# KiCad board usb_power_board.kicad_pcb (continued)
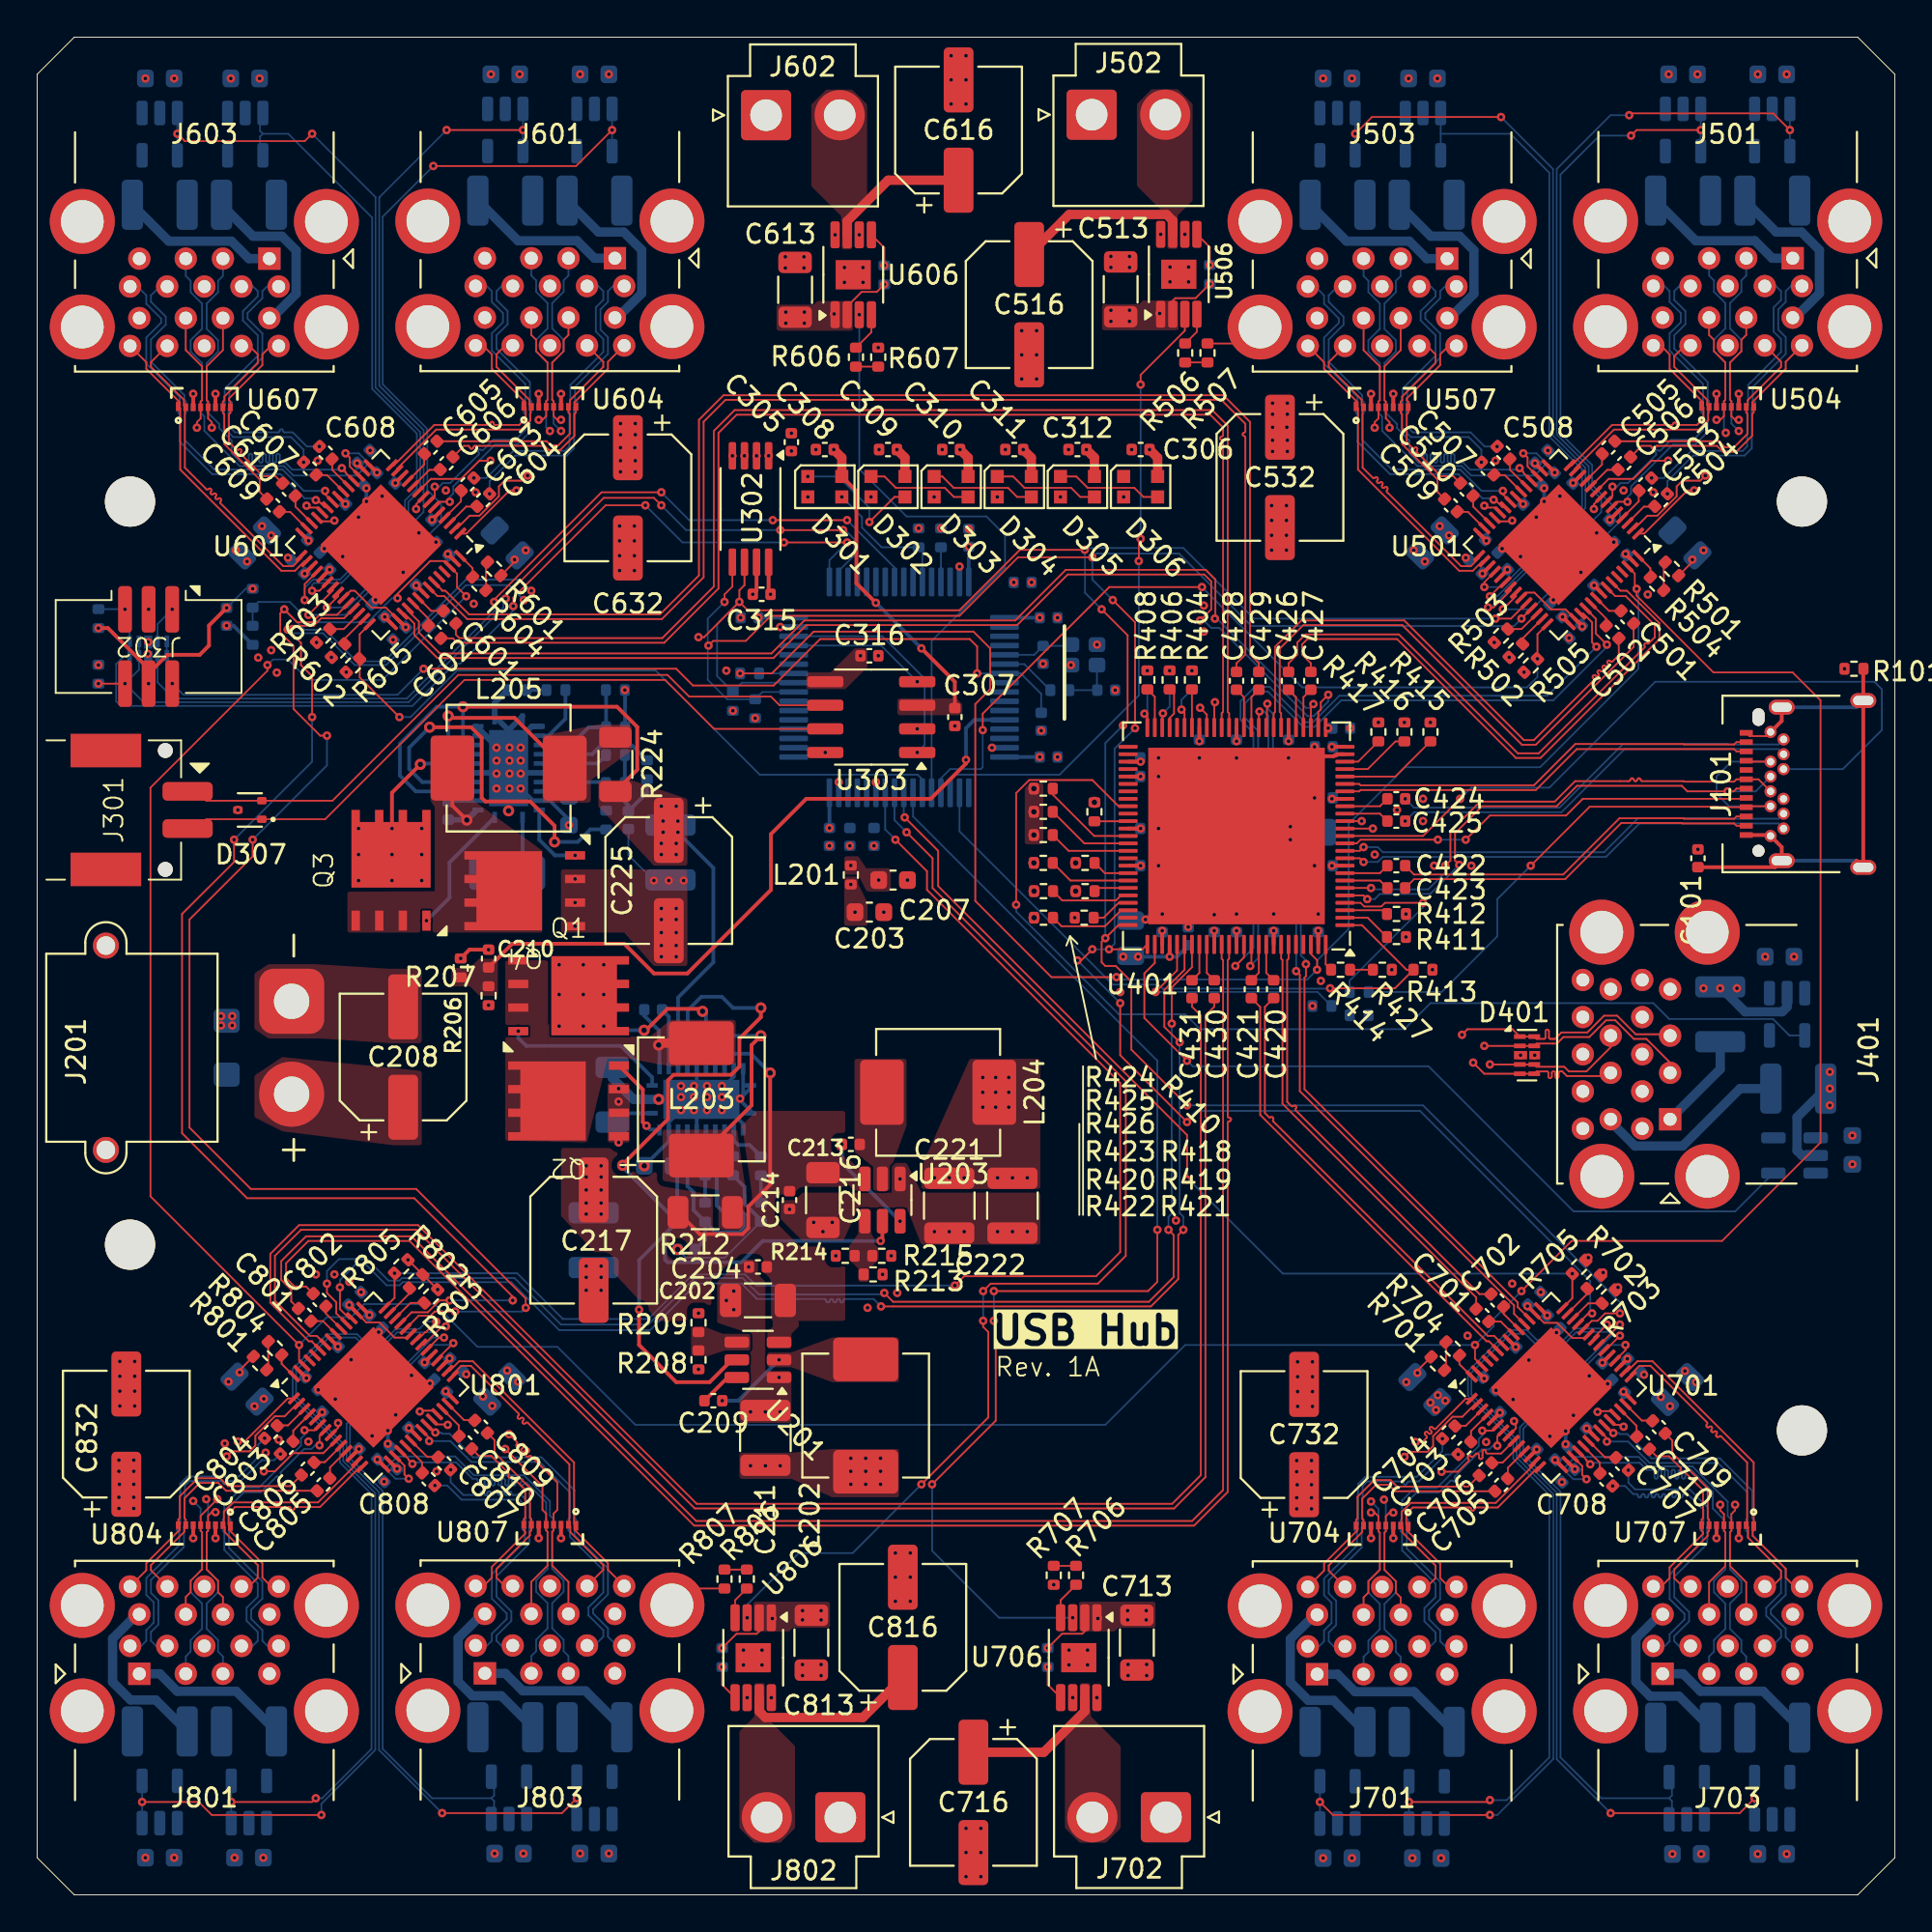
[diagram p0: board, top side]
## Placement (name value [footprint] x y rotation side) (continued)
R424  10K  [R_0402_1005Metric]  54.16 59.55 0 top
R425  10K  [R_0402_1005Metric]  54.16 58.3 0 top
R426  10K  [R_0402_1005Metric]  54.16 57.05 0 top
R427  2k2  [R_0402_1005Metric]  72.41 49.8 180 top
R501  2k2  [R_0402_1005Metric]  88 71.38 135 top
R502  10R  [R_0402_1005Metric]  79.6 66.98 45 top
R503  10R  [R_0402_1005Metric]  78.8 67.78 45 top
R504  10k  [R_0402_1005Metric]  87.2 70.58 135 top
R505  100k  [R_0402_1005Metric]  80.4 66.18 225 top
R506  1k  [R_0402_1005Metric]  61.8 83 270 top
R507  330  [R_0402_1005Metric]  63 83 90 top
R508  100k  [R_0402_1005Metric]  63.12 87.23 90 bottom
R601  2k2  [R_0402_1005Metric]  24.6 71.38 135 top
R602  10R  [R_0402_1005Metric]  16.2 66.98 45 top
R603  10R  [R_0402_1005Metric]  15.4 67.78 45 top
R604  10k  [R_0402_1005Metric]  23.8 70.58 135 top
R605  100k  [R_0402_1005Metric]  17 66.18 225 top
R606  1k  [R_0402_1005Metric]  44.07 82.77 270 top
R607  330  [R_0402_1005Metric]  45.28 82.77 90 top
R608  100k  [R_0402_1005Metric]  45.6 87.2 90 bottom
R701  2k2  [R_0402_1005Metric]  75.4 28.6 315 top
R702  10R  [R_0402_1005Metric]  83.8 33 225 top
R703  10R  [R_0402_1005Metric]  84.6 32.2 225 top
R704  10k  [R_0402_1005Metric]  76.2 29.4 315 top
R705  100k  [R_0402_1005Metric]  83 33.8 45 top
R706  1k  [R_0402_1005Metric]  55.93 17.2 90 top
R707  330  [R_0402_1005Metric]  54.72 17.2 270 top
R708  100k  [R_0402_1005Metric]  54.4 12.78 270 bottom
R801  2k2  [R_0402_1005Metric]  12 28.62 315 top
R802  10R  [R_0402_1005Metric]  20.4 33.02 225 top
R803  10R  [R_0402_1005Metric]  21.2 32.22 225 top
R804  10k  [R_0402_1005Metric]  12.8 29.42 315 top
R805  100k  [R_0402_1005Metric]  19.6 33.82 45 top
R806  1k  [R_0402_1005Metric]  38.2 17 90 top
R807  330  [R_0402_1005Metric]  37 17 270 top
R808  100k  [R_0402_1005Metric]  36.87 12.77 270 bottom
U201  TPS565201  [TSOT-23-6]  38.8 28.8 180 top
U202  LM5148  [RGY0024E-MFG]  35.75 42.82 90 bottom
U203  TPS565201  [TSOT-23-6]  45.5 37.4 270 top
U204  LM5148  [RGY0024E-MFG]  25.38 60.65 180 bottom
U301  STM32G474  [LQFP-64-0.5]  46.4 65 180 bottom
U302  ZD24C128A  [TSSOP-8_4.4x3mm_P0.65mm]  38.4 74.6 270 top
U303  TCAN1462V  [SOIC-8_3.9x4.9mm_P1.27mm]  44.9 63.4 180 top
U401  USB7216C  [VQFN-100-1EP_12x12mm_P0.4mm_EP8x8mm]  64.56 57 180 top
U402  RT9742GGJ5  [TSOT-23-5]  94.2 47.4 270 bottom
U403  RT9742GGJ5  [TSOT-23-5]  94.6 39.8 180 bottom
U501  USB5744  [QFN-56-1EP_7x7mm_P0.4mm_EP4x4mm]  81.9 72.68 225 top
U502  RT9742GGJ5  [TSOT-23-5]  88.6 95 270 bottom
U503  RT9742GGJ5  [TSOT-23-5]  93.4 95 270 bottom
U504  BDFN3310A056R  [UDFN8_3P3X1_517CB_ONS]  91 80.5 90 top
U505  BDFN3310A056R  [UDFN8_3P3X1_517CB_ONS]  91 80.5 90 bottom
U506  TPS1H200A  [HVSSOP-8-1EP_3x3mm_P0.65mm_EP1.57x1.89mm]  61.46 87.24 90 top
U507  BDFN3310A056R  [UDFN8_3P3X1_517CB_ONS]  72.4 80.48 90 top
U508  RT9742GGJ5  [TSOT-23-5]  70 94.78 270 bottom
U509  RT9742GGJ5  [TSOT-23-5]  74.6 94.78 270 bottom
U510  BDFN3310A056R  [UDFN8_3P3X1_517CB_ONS]  72.4 80.48 90 bottom
U601  USB5744  [QFN-56-1EP_7x7mm_P0.4mm_EP4x4mm]  18.5 72.68 225 top
U602  RT9742GGJ5  [TSOT-23-5]  25.2 95 270 bottom
U603  RT9742GGJ5  [TSOT-23-5]  30 95 270 bottom
U604  BDFN3310A056R  [UDFN8_3P3X1_517CB_ONS]  27.6 80.5 90 top
U605  BDFN3310A056R  [UDFN8_3P3X1_517CB_ONS]  27.6 80.5 90 bottom
U606  TPS1H200A  [HVSSOP-8-1EP_3x3mm_P0.65mm_EP1.57x1.89mm]  43.93 87.21 90 top
U607  BDFN3310A056R  [UDFN8_3P3X1_517CB_ONS]  9 80.48 90 top
U608  RT9742GGJ5  [TSOT-23-5]  6.6 94.78 270 bottom
U609  RT9742GGJ5  [TSOT-23-5]  11.2 94.78 270 bottom
U610  BDFN3310A056R  [UDFN8_3P3X1_517CB_ONS]  9 80.48 90 bottom
U701  USB5744  [QFN-56-1EP_7x7mm_P0.4mm_EP4x4mm]  81.5 27.3 45 top
U702  RT9742GGJ5  [TSOT-23-5]  74.8 4.98 90 bottom
U703  RT9742GGJ5  [TSOT-23-5]  70 4.98 90 bottom
U704  BDFN3310A056R  [UDFN8_3P3X1_517CB_ONS]  72.4 19.48 270 top
U705  BDFN3310A056R  [UDFN8_3P3X1_517CB_ONS]  72.4 19.48 270 bottom
U706  TPS1H200A  [HVSSOP-8-1EP_3x3mm_P0.65mm_EP1.57x1.89mm]  56.07 12.77 270 top
U707  BDFN3310A056R  [UDFN8_3P3X1_517CB_ONS]  91 19.5 270 top
U708  RT9742GGJ5  [TSOT-23-5]  93.4 5.2 90 bottom
U709  RT9742GGJ5  [TSOT-23-5]  88.8 5.2 90 bottom
U710  BDFN3310A056R  [UDFN8_3P3X1_517CB_ONS]  91 19.5 270 bottom
U801  USB5744  [QFN-56-1EP_7x7mm_P0.4mm_EP4x4mm]  18.1 27.32 45 top
U802  RT9742GGJ5  [TSOT-23-5]  11.4 5 90 bottom
U803  RT9742GGJ5  [TSOT-23-5]  6.6 5 90 bottom
U804  BDFN3310A056R  [UDFN8_3P3X1_517CB_ONS]  9 19.5 270 top
U805  BDFN3310A056R  [UDFN8_3P3X1_517CB_ONS]  9 19.5 270 bottom
U806  TPS1H200A  [HVSSOP-8-1EP_3x3mm_P0.65mm_EP1.57x1.89mm]  38.54 12.76 270 top
U807  BDFN3310A056R  [UDFN8_3P3X1_517CB_ONS]  27.6 19.52 270 top
U808  RT9742GGJ5  [TSOT-23-5]  30 5.22 90 bottom
U809  RT9742GGJ5  [TSOT-23-5]  25.4 5.22 90 bottom
U810  BDFN3310A056R  [UDFN8_3P3X1_517CB_ONS]  27.6 19.52 270 bottom
Y301  24Mhz  [Crystal_SMD_2016-4Pin_2.0x1.6mm]  56.35 66.75 0 bottom

## Library data of the parts
C101 C201-C207 C209-C216 C218-C224 C301-C322 C401-C435 C501-C515 C517-C531 C533-C535 C601-C615 C617-C631 C633-C635 C701-C715 C717-C731 C733-C735 C801-C815 C817-C831 C833-C835 = -: Description: Unpolarized capacitor, compact symbol; ki_fp_filters: C_*
C208 C217 C225 C516 C532 C616 C632 C716 C732 C816 C832 = -: Description: Polarized capacitor, small US symbol; ki_fp_filters: CP_*
D201 = -: Description: Bidirectional transient-voltage-suppression diode, small symbol; ki_fp_filters: TO-???* *_Diode_* *SingleDiode* D_*
D301-D306 = -: Datasheet: https://cdn-shop.adafruit.com/product-files/4684/4684_WS2812B-2020_V1.3_EN.pdf; Description: RGB LED with integrated controller, 2.0 x 2.0 mm, 12 mA; ki_fp_filters: LED*WS2812*-2020_PLCC4*
D307 D308 D401 = -: Description: Dual bidirectional transient-voltage-suppression diode, compact symbol; ki_fp_filters: TO-???* *_Diode_* *SingleDiode* D_*
H101-H104 = -: Description: Mounting Hole without connection; ki_fp_filters: MountingHole*
J101 = -: Datasheet: https://www.usb.org/sites/default/files/documents/usb_type-c.zip; Description: USB Full-Featured Type-C Receptacle connector; LCSC P/N: C42400512; ki_fp_filters: USB*C*Receptacle*
J201 J301 J502 J602 J702 J802 = -: Description: Generic connector, single row, 01x02, script generated; ki_fp_filters: Connector*:*_1x??_*
J302 = -: Description: Generic connector, double row, 02x03, odd/even pin numbering scheme (row 1 odd numbers, row 2 even numbers), script generated (kicad-library-utils/schlib/autogen/connector/); ki_fp_filters: Connector*:*_2x??_*
J401 J501 J503 J601 J603 J701 J703 J801 J803 = -: Description: USB 3.0 A connector, stacked; ki_fp_filters: USB3?A*Stacked*
L201 = -: Description: Inductor with ferrite core, small symbol; ki_fp_filters: Choke_* *Coil* Inductor_* L_*
L202-L205 = -: Description: Inductor, small symbol; ki_fp_filters: Choke_* *Coil* Inductor_* L_*
Q1-Q4 = -: Description: N-MOSFET transistor, drain/gate/source
R101 R201-R224 R301-R310 R401-R427 R501-R508 R601-R608 R701-R708 R801-R808 = -: Description: Resistor, compact symbol; ki_fp_filters: R_*
U301 = -: Datasheet: STM32G474RBT3; ki_fp_filters: LQFP64-10x10mm
U302 = -: Datasheet: http://ww1.microchip.com/downloads/en/DeviceDoc/21191s.pdf; Description: I2C Serial EEPROM, 128Kb, DIP-8/SOIC-8/TSSOP-8/DFN-8; ki_fp_filters: DIP*W7.62mm* SOIC*3.9x4.9mm* TSSOP*4.4x3mm*P0.65mm* DFN*3x2mm*P0.5mm*
U303 = -: Datasheet: https://www.ti.com/lit/ds/symlink/tcan1462-q1.pdf; Description: CAN FD Transceiver with Signal Improvement Capability (SIC)
U401 = -: Datasheet: USB7216C-I/KDX; ki_fp_filters: VQFN100_KDX_MCH VQFN100_KDX_MCH-M VQFN100_KDX_MCH-L
U402 U403 U502 U503 U508 U509 U602 U603 U608 U609 U702 U703 U708 U709 U802 U803 U808 U809 = -: Datasheet: https://www.lcsc.com/datasheet/C250547.pdf; Description: USB Positive Overvoltage Protection Controller with Internal PMOS FET and Overcurrent Protection, TSOP-5; ki_fp_filters: TSOP*1.65x3.05*P0.95*
U501 U601 U701 U801 = -: Datasheet: USB5744/2GX01; ki_fp_filters: VQFN56_2G_MCH VQFN56_2G_MCH-M VQFN56_2G_MCH-L
U506 U606 U706 U806 = -: Datasheet: https://www.ti.com/lit/gpn/tps1h200a-q1; ki_fp_filters: DGN0008D_N DGN0008D_M DGN0008D_L
Y301 = -: Description: Four pin crystal, GND on pins 2 and 4, small symbol; ki_fp_filters: Crystal*

## Footprints (pads in the part's own frame, mm; a bottom-side part is the same pattern mirrored in y, then rotated)
AMASS_XT30PW-M_1x02_P2.50mm_Horizontal
  round 1.4 hole 1: (-8,10) (3,10)
  rrect 3.5x3.5 hole 1.9: 1(0,0)
  round 3.5 hole 1.9: 2(-5,0)
C_0402_1005Metric
  rrect 0.56x0.62 smd: 1(-0.48,0) 2(0.48,0)
C_0603_1608Metric
  rrect 0.9x0.95 smd: 1(-0.775,0) 2(0.775,0)
C_0805_2012Metric
  rrect 1x1.45 smd: 1(-0.95,0) 2(0.95,0)
C_1206_3216Metric
  rrect 1.15x1.8 smd: 1(-1.475,0) 2(1.475,0)
C_1210_3225Metric
  rrect 1.15x2.7 smd: 1(-1.475,0) 2(1.475,0)
CP_Elec_6.3x7.7
  rrect 3.5x1.6 smd: 1(-2.7,0) 2(2.7,0)
Crystal_SMD_2016-4Pin_2.0x1.6mm
  rrect 0.9x0.8 smd: 1(-0.7,-0.55) 2(0.7,-0.55) 3(0.7,0.55) 4(-0.7,0.55)
D_SMF
  rrect 1.3x1.4 smd: 1(-1.45,0) 2(1.45,0)
Diodes_UDFN-10_1.0x2.5mm_P0.5mm
  rect 0.625x0.25 smd: 1(-0.388,1) 2(-0.387,0.5) 4(-0.387,-0.5) 5(-0.388,-1) 6(0.388,-1) 7(0.387,-0.5) 9(0.387,0.5) 10(0.388,1)
  rect 0.7x0.45 smd: 3(-0.35,0)
  rect 0.575x0.45 smd: 8(0.413,0)
HVSSOP-8-1EP_3x3mm_P0.65mm_EP1.57x1.89mm
  rrect 0.63x0.76 smd: (-0.39,0.47) (-0.39,-0.47) (0.39,0.47) (0.39,-0.47)
  rrect 1.45x0.5 smd: 1(-2.15,0.975) 2(-2.15,0.325) 3(-2.15,-0.325) 4(-2.15,-0.975) 5(2.15,-0.975) 6(2.15,-0.325) 7(2.15,0.325) 8(2.15,0.975)
  rect 1.57x1.89 smd: 9(0,0)
IDC6
  rrect 0.74x2.5 smd: 1(-1.27,-2) 2(-1.27,2) 3(0,-2) 4(0,2) 5(1.27,-2) 6(1.27,2)
JST_VH_B2P-VH-B_1x02_P3.96mm_Vertical
  rrect 2.7x2.7 hole 1.7: 1(0,0)
  round 2.7 hole 1.7: 2(3.96,0)
L_Changjiang_FXL0630
  rrect 2.35x3.5 smd: 1(-3.025,0) 2(3.025,0)
LED_WS2812B-2020_PLCC4_2.0x2.0mm
  rect 0.7x0.7 smd: 1(-0.915,0.55) 2(-0.915,-0.55) 3(0.915,-0.55) 4(0.915,0.55)
LQFP-64-0.5
  rrect 1.55x0.3 smd: 1(-5.675,3.75) 2(-5.675,3.25) 3(-5.675,2.75) 4(-5.675,2.25) 5(-5.675,1.75) 6(-5.675,1.25) 7(-5.675,0.75) 8(-5.675,0.25) 9(-5.675,-0.25) 10(-5.675,-0.75) 11(-5.675,-1.25) 12(-5.675,-1.75) 13(-5.675,-2.25) 14(-5.675,-2.75) 15(-5.675,-3.25) 16(-5.675,-3.75) 33(5.675,-3.75) 34(5.675,-3.25) 35(5.675,-2.75) 36(5.675,-2.25) 37(5.675,-1.75) 38(5.675,-1.25) 39(5.675,-0.75) 40(5.675,-0.25) 41(5.675,0.25) 42(5.675,0.75) 43(5.675,1.25) 44(5.675,1.75) 45(5.675,2.25) 46(5.675,2.75) 47(5.675,3.25) 48(5.675,3.75)
  rrect 0.3x1.55 smd: 17(-3.75,-5.675) 18(-3.25,-5.675) 19(-2.75,-5.675) 20(-2.25,-5.675) 21(-1.75,-5.675) 22(-1.25,-5.675) 23(-0.75,-5.675) 24(-0.25,-5.675) 25(0.25,-5.675) 26(0.75,-5.675) 27(1.25,-5.675) 28(1.75,-5.675) 29(2.25,-5.675) 30(2.75,-5.675) 31(3.25,-5.675) 32(3.75,-5.675) 49(3.75,5.675) 50(3.25,5.675) 51(2.75,5.675) 52(2.25,5.675) 53(1.75,5.675) 54(1.25,5.675) 55(0.75,5.675) 56(0.25,5.675) 57(-0.25,5.675) 58(-0.75,5.675) 59(-1.25,5.675) 60(-1.75,5.675) 61(-2.25,5.675) 62(-2.75,5.675) 63(-3.25,5.675) 64(-3.75,5.675)
M2.5
  round 2.7 hole 2.7 unplated: (0,0)
PQFN_5x6mm_E_DGS
  custom 4.18x4.26 smd: 1(0.838,0)
  rect 1.08x0.45 smd: 2(-2.708,-1.905) 3(-2.708,1.905) 3(-2.708,0.635) 3(-2.708,-0.635)
QFN-56-1EP_7x7mm_P0.4mm_EP4x4mm
  rrect 1.07x1.07 smd: (-1.33,1.33) (-1.33,0) (-1.33,-1.33) (0,1.33) (0,0) (0,-1.33) (1.33,1.33) (1.33,0) (1.33,-1.33)
  rrect 0.8x0.2 smd: 1(-3.45,2.6) 2(-3.45,2.2) 3(-3.45,1.8) 4(-3.45,1.4) 5(-3.45,1) 6(-3.45,0.6) 7(-3.45,0.2) 8(-3.45,-0.2) 9(-3.45,-0.6) 10(-3.45,-1) 11(-3.45,-1.4) 12(-3.45,-1.8) 13(-3.45,-2.2) 14(-3.45,-2.6) 29(3.45,-2.6) 30(3.45,-2.2) 31(3.45,-1.8) 32(3.45,-1.4) 33(3.45,-1) 34(3.45,-0.6) 35(3.45,-0.2) 36(3.45,0.2) 37(3.45,0.6) 38(3.45,1) 39(3.45,1.4) 40(3.45,1.8) 41(3.45,2.2) 42(3.45,2.6)
  rrect 0.2x0.8 smd: 15(-2.6,-3.45) 16(-2.2,-3.45) 17(-1.8,-3.45) 18(-1.4,-3.45) 19(-1,-3.45) 20(-0.6,-3.45) 21(-0.2,-3.45) 22(0.2,-3.45) 23(0.6,-3.45) 24(1,-3.45) 25(1.4,-3.45) 26(1.8,-3.45) 27(2.2,-3.45) 28(2.6,-3.45) 43(2.6,3.45) 44(2.2,3.45) 45(1.8,3.45) 46(1.4,3.45) 47(1,3.45) 48(0.6,3.45) 49(0.2,3.45) 50(-0.2,3.45) 51(-0.6,3.45) 52(-1,3.45) 53(-1.4,3.45) 54(-1.8,3.45) 55(-2.2,3.45) 56(-2.6,3.45)
  rect 4.6x4.6 smd: 57(0,0)
R_0402_1005Metric
  rrect 0.54x0.64 smd: 1(-0.51,0) 2(0.51,0)
R_1206_3216Metric
  rrect 1.125x1.75 smd: 1(-1.462,0) 2(1.462,0)
RGY0024E-MFG
  rect 0.25x0.6 smd: 1(-0.75,2.65) 12(-0.75,-2.65) 13(0.75,-2.65) 24(0.75,2.65)
  rect 0.6x0.25 smd: 2(-1.65,2.25) 3(-1.65,1.75) 4(-1.65,1.25) 5(-1.65,0.75) 6(-1.65,0.25) 7(-1.65,-0.25) 8(-1.65,-0.75) 9(-1.65,-1.25) 10(-1.65,-1.75) 11(-1.65,-2.25) 14(1.65,-2.25) 15(1.65,-1.75) 16(1.65,-1.25) 17(1.65,-0.75) 18(1.65,-0.25) 19(1.65,0.25) 20(1.65,0.75) 21(1.65,1.25) 22(1.65,1.75) 23(1.65,2.25)
  rect 2.1x4.1 smd: 25(0,0)
SM02B-PASS
  rect 1.8x3.8 smd: (-3.2,-3.7) (3.2,-3.7)
  round 0.8 hole 0.8 unplated: (-3.2,-6.9) (3.2,-6.9)
  rrect 1x2.7 smd: 1(1,-8.1) 2(-1,-8.1)
SOIC-8_3.9x4.9mm_P1.27mm
  rrect 1.95x0.6 smd: 1(-2.475,1.905) 2(-2.475,0.635) 3(-2.475,-0.635) 4(-2.475,-1.905) 5(2.475,-1.905) 6(2.475,-0.635) 7(2.475,0.635) 8(2.475,1.905)
SOT-523
  rrect 0.51x0.4 smd: 1(-0.645,0.5) 2(-0.645,-0.5) 3(0.645,0)
TSOT-23-5
  rrect 1.325x0.6 smd: 1(-1.137,0.95) 2(-1.137,0) 3(-1.137,-0.95) 4(1.137,-0.95) 5(1.137,0.95)
TSOT-23-6
  rrect 1.325x0.6 smd: 1(-1.137,0.95) 2(-1.137,0) 3(-1.137,-0.95) 4(1.137,-0.95) 5(1.137,0) 6(1.137,0.95)
TSSOP-8_4.4x3mm_P0.65mm
  rrect 1.475x0.4 smd: 1(-2.862,0.975) 2(-2.862,0.325) 3(-2.862,-0.325) 4(-2.862,-0.975) 5(2.862,-0.975) 6(2.862,-0.325) 7(2.862,0.325) 8(2.862,0.975)
UDFN8_3P3X1_517CB_ONS
  rect 0.508x0.254 smd: 1(-0.349,1.4)
  rect 0.406x0.254 smd: 2(-0.4,1) 3(-0.4,0.6) 4(-0.4,0.2) 5(-0.4,-0.2) 6(-0.4,-0.6) 7(-0.4,-1) 8(-0.4,-1.4)
USB3_A_Molex_48406-0001_Horizontal_Stacked
  rect 1.2x1.2 hole 0.7: 1(0,0)
  round 1.2 hole 0.7: 2(2.5,0) 3(4.5,0) 4(7,0) 5(7.5,1.5) 6(5.5,1.5) 7(3.5,1.5) 8(1.5,1.5) 9(-0.5,1.5) 10(0,3.2) 11(2.5,3.2) 12(4.5,3.2) 13(7,3.2) 14(7.5,4.7) 15(5.5,4.7) 16(3.5,4.7) 17(1.5,4.7) 18(-0.5,4.7)
  round 3.5 hole 2.3: 19(-3.07,3.68) 19(-3.07,-2) 19(10.07,3.68) 19(10.07,-2)
USB_C_Receptacle_24P
  round 0.65 hole 0.65 unplated: (-3.6,7.34)
  oval 0.95x0.65 hole 0.95x0.65 unplated: (3.6,7.34)
  rect 0.3x0.7 smd: A1(-2.75,8) A2(-2.25,8) A3(-1.75,8) A4(-1.25,8) A5(-0.75,8) A6(-0.25,8) A7(0.25,8) A8(0.75,8) A9(1.25,8) A10(1.75,8) A11(2.25,8) A12(2.75,8)
  round 0.65 hole 0.4: B1(2.8,6.69) B2(2.4,5.99) B3(1.6,5.99) B4(1.2,6.69) B5(0.8,5.99) B6(0.4,6.69) B7(-0.4,6.69) B8(-0.8,5.99) B9(-1.2,6.69) B10(-1.6,5.99) B11(-2.4,5.99) B12(-2.8,6.69)
  oval 0.8x1.4 hole 0.5x1.1: S1(-4.49,1.7) S1(-4.13,6.09) S1(4.13,6.09) S1(4.49,1.7)
VQFN-100-1EP_12x12mm_P0.4mm_EP8x8mm
  rrect 1.61x1.61 smd: (-3,3) (-3,1) (-3,-1) (-3,-3) (-1,3) (-1,1) (-1,-1) (-1,-3) (1,3) (1,1) (1,-1) (1,-3) (3,3) (3,1) (3,-1) (3,-3)
  rrect 1.025x0.2 smd: 1(-5.838,4.8) 2(-5.838,4.4) 3(-5.838,4) 4(-5.838,3.6) 5(-5.838,3.2) 6(-5.838,2.8) 7(-5.838,2.4) 8(-5.838,2) 9(-5.838,1.6) 10(-5.838,1.2) 11(-5.838,0.8) 12(-5.838,0.4) 13(-5.838,0) 14(-5.838,-0.4) 15(-5.838,-0.8) 16(-5.838,-1.2) 17(-5.838,-1.6) 18(-5.838,-2) 19(-5.838,-2.4) 20(-5.838,-2.8) 21(-5.838,-3.2) 22(-5.838,-3.6) 23(-5.838,-4) 24(-5.838,-4.4) 25(-5.838,-4.8) 51(5.838,-4.8) 52(5.838,-4.4) 53(5.838,-4) 54(5.838,-3.6) 55(5.838,-3.2) 56(5.838,-2.8) 57(5.838,-2.4) 58(5.838,-2) 59(5.838,-1.6) 60(5.838,-1.2) 61(5.838,-0.8) 62(5.838,-0.4) 63(5.838,0) 64(5.838,0.4) 65(5.838,0.8) 66(5.838,1.2) 67(5.838,1.6) 68(5.838,2) 69(5.838,2.4) 70(5.838,2.8) 71(5.838,3.2) 72(5.838,3.6) 73(5.838,4) 74(5.838,4.4) 75(5.838,4.8)
  rrect 0.2x1.025 smd: 26(-4.8,-5.838) 27(-4.4,-5.838) 28(-4,-5.838) 29(-3.6,-5.838) 30(-3.2,-5.838) 31(-2.8,-5.838) 32(-2.4,-5.838) 33(-2,-5.838) 34(-1.6,-5.838) 35(-1.2,-5.838) 36(-0.8,-5.838) 37(-0.4,-5.838) 38(0,-5.838) 39(0.4,-5.838) 40(0.8,-5.838) 41(1.2,-5.838) 42(1.6,-5.838) 43(2,-5.838) 44(2.4,-5.838) 45(2.8,-5.838) 46(3.2,-5.838) 47(3.6,-5.838) 48(4,-5.838) 49(4.4,-5.838) 50(4.8,-5.838) 76(4.8,5.838) 77(4.4,5.838) 78(4,5.838) 79(3.6,5.838) 80(3.2,5.838) 81(2.8,5.838) 82(2.4,5.838) 83(2,5.838) 84(1.6,5.838) 85(1.2,5.838) 86(0.8,5.838) 87(0.4,5.838) 88(0,5.838) 89(-0.4,5.838) 90(-0.8,5.838) 91(-1.2,5.838) 92(-1.6,5.838) 93(-2,5.838) 94(-2.4,5.838) 95(-2.8,5.838) 96(-3.2,5.838) 97(-3.6,5.838) 98(-4,5.838) 99(-4.4,5.838) 100(-4.8,5.838)
  rect 9.5x9.5 smd: 101(0,0)

## Nets
+1V2: C221.2 C222.2 C402.2 C404.2 C406.2 C408.2 C410.2 C412.2 C414.2 C416.2 C418.2 C419.2 C522.2 C524.2 C526.2 C528.2 C530.2 C531.2 C533.2 C534.2 C535.2 C622.2 C624.2 C626.2 C628.2 C630.2 C631.2 C633.2 C634.2 C635.2 C722.2 C724.2 C726.2 C728.2 C730.2 C731.2 C733.2 C734.2 C735.2 C822.2 C824.2 C826.2 C828.2 C830.2 C831.2 C833.2 C834.2 C835.2 L204.2 R213.1 R215.1 U401.9 U401.18 U401.25 U401.31 U401.38 U401.55 U401.78 U401.85 U401.93 U501.5 U501.12 U501.15 U501.21 U501.28 U501.33 U501.43 U501.49 U601.5 U601.12 U601.15 U601.21 U601.28 U601.33 U601.43 U601.49 U701.5 U701.12 U701.15 U701.21 U701.28 U701.33 U701.43 U701.49 U801.5 U801.12 U801.15 U801.21 U801.28 U801.33 U801.43 U801.49
+5V: C224.2 C225.1 C305.2 C306.2 C307.2 C308.2 C309.2 C310.2 C311.2 C312.2 C432.2 C433.2 C511.2 C512.2 C517.2 C518.2 C532.1 C611.2 C612.2 C617.2 C618.2 C632.1 C711.2 C712.2 C717.2 C718.2 C732.1 C811.2 C812.2 C817.2 C818.2 C832.1 D301.4 D302.4 D303.4 D304.4 D305.4 D306.4 R224.1 R301.1 U202.16 U204.16 U204.21 U303.3 U402.1 U403.1 U502.1 U503.1 U508.1 U509.1 U602.1 U603.1 U608.1 U609.1 U702.1 U703.1 U708.1 U709.1 U802.1 U803.1 U808.1 U809.1
+12V: C202.2 C204.2 C213.2 C214.2 C215.2 C217.1 C513.2 C613.2 C713.2 C813.2 R212.1 R508.1 R608.1 R708.1 R808.1 U201.3 U202.21 U203.3 U506.1 U506.2 U506.8 U606.1 U606.2 U606.8 U706.1 U706.2 U706.8 U806.1 U806.2 U806.8
/20gbps hub/VBUS: J101.A4 J101.A9 J101.B4 J101.B9 R401.2 R403.2
/20gbps hub/VBUS_MON: R401.1 R402.2 R403.1 U401.4 U401.80
/20gbps hub/VBUSA: C434.2 J401.1 U402.5
/20gbps hub/VBUSB: C435.2 J401.10 U403.5
/Power Board/VBUS_{SENSE}: C210.2 R206.2 R207.1 U301.12
/Power Board/VCC_{5V}: C219.2 R217.1 U204.9
/Power Board/VCC_{12V}: C205.2 R202.1 U202.9
/Power Board/VDDA_{5V}: C220.2 R216.1 R223.2 U204.8
/Power Board/VDDA_{12V}: C206.2 R201.1 R211.2 U202.8
/USB Hub 1/VBUSC: C519.2 J503.1 U508.5
/USB Hub 1/VBUSD: C520.2 J503.10 U509.5
/USB Hub 1/VBUSE: C515.2 J501.10 U503.5
/USB Hub 1/VBUSK: C514.2 J501.1 U502.5
/USB Hub 2/VBUSC: C619.2 J603.1 U608.5
/USB Hub 2/VBUSD: C620.2 J603.10 U609.5
/USB Hub 2/VBUSE: C615.2 J601.10 U603.5
/USB Hub 2/VBUSK: C614.2 J601.1 U602.5
/USB Hub 3/VBUSC: C719.2 J703.1 U708.5
/USB Hub 3/VBUSD: C720.2 J703.10 U709.5
/USB Hub 3/VBUSE: C715.2 J701.10 U703.5
/USB Hub 3/VBUSK: C714.2 J701.1 U702.5
/USB Hub 4/VBUSC: C819.2 J803.1 U808.5
/USB Hub 4/VBUSD: C820.2 J803.10 U809.5
/USB Hub 4/VBUSE: C815.2 J801.10 U803.5
/USB Hub 4/VBUSK: C814.2 J801.1 U802.5
GND: C101.1 C201.1 C202.1 C203.1 C204.1 C205.1 C206.1 C207.1 C208.2 C210.1 C211.1 C213.1 C214.1 C215.1 C217.2 C218.1 C219.1 C220.1 C221.1 C222.1 C224.1 C225.2 C301.1 C302.1 C303.1 C304.1 C305.1 C306.1 C307.1 C308.1 C309.1 C310.1 C311.1 C312.1 C313.1 C314.1 C315.1 C316.1 C317.1 C318.1 C319.1 C320.1 C321.1 C322.1 C401.1 C402.1 C403.1 C404.1 C405.1 C406.1 C407.1 C408.1 C409.1 C410.1 C411.1 C412.1 C413.1 C414.1 C415.1 C416.1 C417.1 C418.1 C419.1 C432.1 C433.1 C434.1 C435.1 C511.1 C512.1 C513.1 C514.1 C515.1 C516.2 C517.1 C518.1 C519.1 C520.1 C521.1 C522.1 C523.1 C524.1 C525.1 C526.1 C527.1 C528.1 C529.1 C530.1 C531.1 C532.2 C533.1 C534.1 C535.1 C611.1 C612.1 C613.1 C614.1 C615.1 C616.2 C617.1 C618.1 C619.1 C620.1 C621.1 C622.1 C623.1 C624.1 C625.1 C626.1 C627.1 C628.1 C629.1 C630.1 C631.1 C632.2 C633.1 C634.1 C635.1 C711.1 C712.1 C713.1 C714.1 C715.1 C716.2 C717.1 C718.1 C719.1 C720.1 C721.1 C722.1 C723.1 C724.1 C725.1 C726.1 C727.1 C728.1 C729.1 C730.1 C731.1 C732.2 C733.1 C734.1 C735.1 C811.1 C812.1 C813.1 C814.1 C815.1 C816.2 C817.1 C818.1 C819.1 C820.1 C821.1 C822.1 C823.1 C824.1 C825.1 C826.1 C827.1 C828.1 C829.1 C830.1 C831.1 C832.2 C833.1 C834.1 C835.1 D201.1 D301.2 D302.2 D303.2 D304.2 D305.2 D306.2 D307.3 D308.3 D308.8 D401.3 D401.8 J201.1 J302.3 J401.4 J401.7 J401.13 J401.16 J401.19 J501.4 J501.7 J501.13 J501.16 J501.19 J502.1 J503.4 J503.7 J503.13 J503.16 J503.19 J601.4 J601.7 J601.13 J601.16 J601.19 J602.1 J603.4 J603.7 J603.13 J603.16 J603.19 J701.4 J701.7 J701.13 J701.16 J701.19 J702.1 J703.4 J703.7 J703.13 J703.16 J703.19 J801.4 J801.7 J801.13 J801.16 J801.19 J802.1 J803.4 J803.7 J803.13 J803.16 J803.19 Q2.3 Q4.3 R101.1 R204.2 R205.2 R207.2 R209.2 R214.2 R219.2 R220.2 R221.2 R306.2 R308.2 R310.2 R402.1 R404.1 R405.1 R406.1 R407.1 R408.1 R409.1 R410.1 R411.1 R412.1 R413.1 R415.1 R416.1 R417.1 R418.1 R419.1 R420.1 R421.1 R422.1 R423.1 R427.1 R501.1 R502.1 R503.1 R505.2 R507.2 R601.1 R602.1 R603.1 R605.2 R607.2 R701.1 R702.1 R703.1 R705.2 R707.2 R801.1 R802.1 R803.1 R805.2 R807.2 U201.1 U202.1 U202.2 U202.7 U202.10 U202.18 U202.22 U202.23 U202.24 U202.25 U203.1 U204.1 U204.2 U204.7 U204.10 U204.18 U204.22 U204.23 U204.24 U204.25 U301.15 U301.27 U301.31 U301.47 U301.63 U302.1 U302.2 U302.3 U302.4 U302.7 U303.2 U303.8 U401.24 U401.101 U402.2 U403.2 U501.57 U502.2 U503.2 U504.3 U504.6 U505.3 U505.6 U506.6 U506.9 U507.3 U507.6 U508.2 U509.2 U510.3 U510.6 U601.57 U602.2 U603.2 U604.3 U604.6 U605.3 U605.6 U606.6 U606.9 U607.3 U607.6 U608.2 U609.2 U610.3 U610.6 U701.57 U702.2 U703.2 U704.3 U704.6 U705.3 U705.6 U706.6 U706.9 U707.3 U707.6 U708.2 U709.2 U710.3 U710.6 U801.57 U802.2 U803.2 U804.3 U804.6 U805.3 U805.6 U806.6 U806.9 U807.3 U807.6 U808.2 U809.2 U810.3 U810.6 Y301.2 Y301.4
VBUS: C201.2 C208.1 C218.2 D201.2 J201.2 Q1.1 Q3.1 R206.1 U202.12 U202.19 U204.12 U204.19
VDD: C203.2 C211.2 C301.2 C313.2 C314.2 C315.2 C316.2 C317.2 C318.2 C319.2 C320.2 C401.2 C403.2 C405.2 C407.2 C409.2 C411.2 C413.2 C415.2 C417.2 C521.2 C523.2 C525.2 C527.2 C529.2 C621.2 C623.2 C625.2 C627.2 C629.2 C721.2 C723.2 C725.2 C727.2 C729.2 C821.2 C823.2 C825.2 C827.2 C829.2 J302.4 L201.1 L202.2 R208.1 R302.1 R303.1 R304.1 R309.1 R424.1 R425.1 R426.1 U301.1 U301.16 U301.32 U301.48 U301.64 U302.8 U303.5 U401.26 U401.43 U401.53 U401.62 U401.67 U401.79 U401.88 U401.99 U501.16 U501.31 U501.37 U501.44 U501.55 U601.16 U601.31 U601.37 U601.44 U601.55 U701.16 U701.31 U701.37 U701.44 U701.55 U801.16 U801.31 U801.37 U801.44 U801.55
VDDA: C207.2 C321.2 C322.2 L201.2 U301.28 U301.29
/20gbps hub/BIAS: R414.2 U401.100
/20gbps hub/BIASM: R414.1 R427.2
/20gbps hub/CC1: J101.A5 U401.12
/20gbps hub/CC2: J101.B5 U401.13
/20gbps hub/CFG1: R415.2 U401.21
/20gbps hub/CFG2: R416.2 U401.22
/20gbps hub/CFG3: R417.2 U401.23
/20gbps hub/CLKIN: R304.2 R305.2 R306.1 U401.98 U501.54 U601.54 U701.54 U801.54
/20gbps hub/D_{1}+: U401.89 U501.45
/20gbps hub/D_{1}-: U401.90 U501.46
/20gbps hub/D_{2}+: U401.27 U601.45
/20gbps hub/D_{2}-: U401.28 U601.46
/20gbps hub/D_{3}+: U401.34 U701.45
/20gbps hub/D_{3}-: U401.35 U701.46
/20gbps hub/D_{4}+: U401.81 U801.45
/20gbps hub/D_{4}-: U401.82 U801.46
/20gbps hub/NRST: R413.2 U301.18 U401.1
/20gbps hub/PF3: R404.2 U401.44
/20gbps hub/PF4: R405.2 U401.45
/20gbps hub/PF6: R406.2 U401.47
/20gbps hub/PF7: R407.2 U401.48
/20gbps hub/PF8: R408.2 U401.49
/20gbps hub/PF9: R409.2 U401.50
/20gbps hub/PF18: R410.2 U401.61
/20gbps hub/PF20: R423.2 U401.69
/20gbps hub/PF21: R418.2 U401.68
/20gbps hub/PF22: R419.2 U401.70
/20gbps hub/PF23: R420.2 U401.71
/20gbps hub/PF24: R421.2 U401.72
/20gbps hub/PF25: R422.2 U401.73
/20gbps hub/PF30: R411.2 U401.2
/20gbps hub/PF31: R412.2 U401.3
/20gbps hub/PRT_CTL_{A}: U401.59 U402.3 U402.4
/20gbps hub/PRT_CTL_{B}: U401.77 U403.3 U403.4
/20gbps hub/QTX_{1}+: C421.2 U401.91
/20gbps hub/QTX_{1}-: C420.2 U401.92
/20gbps hub/QTX_{2}+: C427.2 U401.29
/20gbps hub/QTX_{2}-: C426.2 U401.30
/20gbps hub/QTX_{3}+: C429.2 U401.36
/20gbps hub/QTX_{3}-: C428.2 U401.37
/20gbps hub/QTX_{4}+: C431.2 U401.83
/20gbps hub/QTX_{4}-: C430.2 U401.84
/20gbps hub/QUTX_{A}+: C423.2 U401.7
/20gbps hub/QUTX_{A}-: C422.2 U401.8
/20gbps hub/QUTX_{B}+: C425.2 U401.16
/20gbps hub/QUTX_{B}-: C424.2 U401.17
/20gbps hub/RX_{1}+: C501.1 U401.32
/20gbps hub/RX_{1}-: C502.1 U401.33
/20gbps hub/RX_{2}+: C601.1 U401.39
/20gbps hub/RX_{2}-: C602.1 U401.40
/20gbps hub/RX_{3}+: C701.1 U401.94
/20gbps hub/RX_{3}-: C702.1 U401.95
/20gbps hub/RX_{4}+: C801.1 U401.86
/20gbps hub/RX_{4}-: C802.1 U401.87
/20gbps hub/SMB-CLK: R302.2 U301.41 U302.6 U401.75 U501.38 U601.38 U701.38 U801.38
/20gbps hub/SMB-DAT: R303.2 U301.40 U302.5 U401.76 U501.39 U601.39 U701.39 U801.39
/20gbps hub/TEST1: R424.2 U401.63
/20gbps hub/TEST2: R425.2 U401.64
/20gbps hub/TEST3: R426.2 U401.65
/20gbps hub/TX_{1}+: C427.1 U501.51
/20gbps hub/TX_{1}-: C426.1 U501.50
/20gbps hub/TX_{2}+: C429.1 U601.51
/20gbps hub/TX_{2}-: C428.1 U601.50
/20gbps hub/TX_{3}+: C421.1 U701.51
/20gbps hub/TX_{3}-: C420.1 U701.50
/20gbps hub/TX_{4}+: C431.1 U801.51
/20gbps hub/TX_{4}-: C430.1 U801.50
/20gbps hub/UD+: J101.A6 J101.B6 U401.5
/20gbps hub/UD-: J101.A7 J101.B7 U401.6
/20gbps hub/URX_{A}+: J101.B11 U401.10
/20gbps hub/URX_{A}-: J101.B10 U401.11
/20gbps hub/URX_{B}+: J101.A11 U401.20
/20gbps hub/URX_{B}-: J101.A10 U401.19
/20gbps hub/UTX_{A}+: C423.1 J101.A2
/20gbps hub/UTX_{A}-: C422.1 J101.A3
/20gbps hub/UTX_{B}+: C424.1 J101.B2
/20gbps hub/UTX_{B}-: C425.1 J101.B3
/20gbps hub/XD_{A}+: D401.1 D401.10 J401.3 U401.14
/20gbps hub/XD_{A}-: D401.2 D401.9 J401.2 U401.15
/20gbps hub/XD_{B}+: D401.4 D401.7 J401.12 U401.42
/20gbps hub/XD_{B}-: D401.5 D401.6 J401.11 U401.41
/Power Board/BOOT_{1V17}: C216.1 U203.6
/Power Board/BOOT_{3V3}: C209.1 U201.6
/Power Board/BOOT_{5V}: C223.1 U204.15
/Power Board/BOOT_{12V}: C212.1 U202.15
/Power Board/CFG_{5V}: R218.1 U204.3
/Power Board/CFG_{12V}: R203.1 U202.3
/Power Board/CFGM_{5V}: R218.2 R219.1
/Power Board/CFGM_{12V}: R203.2 R204.1
/Power Board/COMP_{5V}: R216.2 U204.5
/Power Board/COMP_{12V}: R201.2 U202.5
/Power Board/FB_{1V17}: R213.2 R214.1 R215.2 U203.4
/Power Board/FB_{3V3: R208.2 R209.1 U201.4
/Power Board/FB_{5V}: R222.1 U204.6
/Power Board/FB_{12V}: R210.1 U202.6
/Power Board/FBM_{5V}: R222.2 R223.1
/Power Board/FBM_{12V}: R210.2 R211.1
/Power Board/HO_{5V}: Q3.2 U204.13
/Power Board/HO_{12V}: Q1.2 U202.13
/Power Board/IS_{5V}: L205.2 R224.2 U204.20
/Power Board/IS_{12V}: L203.2 R212.2 U202.20
/Power Board/LO_{5V}: Q4.2 U204.11
/Power Board/LO_{12V}: Q2.2 U202.11
/Power Board/PG_{5V}: R217.2 U204.17
/Power Board/PG_{12V}: R202.2 U201.5 U202.17 U203.5
/Power Board/RT_{5V}: R220.1 R221.1 U204.4
/Power Board/RT_{12V}: R205.1 U202.4
/Power Board/SW_{1V17}: C216.2 L204.1 U203.2
/Power Board/SW_{3V3}: C209.2 L202.1 U201.2
/Power Board/SW_{5V}: C223.2 L205.1 Q3.3 Q4.1 U204.14
/Power Board/SW_{12V}: C212.2 L203.1 Q1.3 Q2.1 U202.14
/STM Memory/ARGB_{0}: D301.3 R301.2 U301.59
/STM Memory/ARGB_{1}: D301.1 D302.3
/STM Memory/ARGB_{2}: D302.1 D303.3
/STM Memory/ARGB_{3}: D303.1 D304.3
/STM Memory/ARGB_{4}: D304.1 D305.3
/STM Memory/ARGB_{5}: D305.1 D306.3
/STM Memory/BOOT: R308.1 U301.61
/STM Memory/CAN_RX: U301.45 U303.4
/STM Memory/CAN_TX: U301.46 U303.1
/STM Memory/CANH: D307.1 J301.2 U303.7
/STM Memory/CANL: D307.2 J301.1 U303.6
/STM Memory/DBG.NRST: C304.2 D308.5 D308.6 J302.2 U301.7
/STM Memory/DBG.SWCLK: D308.2 D308.9 J302.6 R310.1 U301.50
/STM Memory/DBG.SWDIO: D308.1 D308.10 J302.5 R309.2 U301.49
/STM Memory/DBG.SWO: D308.4 D308.7 J302.1 U301.56
/STM Memory/KOCP_{1}: U301.19 U506.3
/STM Memory/KOCP_{2}: U301.21 U606.3
/STM Memory/KOCP_{3}: U301.23 U706.3
/STM Memory/KOCP_{4}: U301.25 U806.3
/STM Memory/MCO_UT: R305.1 U301.42
/STM Memory/NRST_{1}: R505.1 U301.20 U501.42
/STM Memory/NRST_{2}: R605.1 U301.22 U601.42
/STM Memory/NRST_{3}: R705.1 U301.24 U701.42
/STM Memory/NRST_{4}: R805.1 U301.26 U801.42
/STM Memory/OSC_IN: C302.2 U301.5 Y301.1
/STM Memory/OSC_OUT: R307.2 U301.6
/STM Memory/OUT_OUT_R: C303.2 R307.1 Y301.3
/USB Hub 1/BIAS: R504.2 U501.56
/USB Hub 1/BIASM: R501.2 R504.1
/USB Hub 1/CTL1: U501.36 U502.3 U502.4
/USB Hub 1/CTL2: U501.35 U503.3 U503.4
/USB Hub 1/CTL3: U501.34 U508.3 U508.4
/USB Hub 1/CTL4: U501.32 U509.3 U509.4
/USB Hub 1/D_{C}+: J503.3 U501.17 U510.5
/USB Hub 1/D_{C}-: J503.2 U501.18 U510.4
/USB Hub 1/D_{D}+: J503.12 U501.24 U507.4
/USB Hub 1/D_{D}-: J503.11 U501.25 U507.5
/USB Hub 1/D_{E}+: J501.12 U501.8 U504.4
/USB Hub 1/D_{E}-: J501.11 U501.9 U504.5
/USB Hub 1/D_{K}+: J501.3 U501.1 U505.5
/USB Hub 1/D_{K}-: J501.2 U501.2 U505.4
/USB Hub 1/QTXM_{C}: C507.2 U501.20
/USB Hub 1/QTXM_{D}: C509.2 U501.27
/USB Hub 1/QTXM_{E}: C505.2 U501.11
/USB Hub 1/QTXM_{K}: C503.2 U501.4
/USB Hub 1/QTXP_{C}: C508.2 U501.19
/USB Hub 1/QTXP_{D}: C510.2 U501.26
/USB Hub 1/QTXP_{E}: C506.2 U501.10
/USB Hub 1/QTXP_{K}: C504.2 U501.3
/USB Hub 1/RX_{C}+: J503.6 U501.22 U510.7
/USB Hub 1/RX_{C}-: J503.5 U501.23 U510.8
/USB Hub 1/RX_{D}+: J503.15 U501.29 U507.2
/USB Hub 1/RX_{D}-: J503.14 U501.30 U507.1
/USB Hub 1/RX_{E}+: J501.15 U501.13 U504.2
/USB Hub 1/RX_{E}-: J501.14 U501.14 U504.1
/USB Hub 1/RX_{K}+: J501.6 U501.6 U505.7
/USB Hub 1/RX_{K}-: J501.5 U501.7 U505.8
/USB Hub 1/TX_{C}+: C508.1 J503.9 U510.1
/USB Hub 1/TX_{C}-: C507.1 J503.8 U510.2
/USB Hub 1/TX_{D}+: C510.1 J503.18 U507.8
/USB Hub 1/TX_{D}-: C509.1 J503.17 U507.7
/USB Hub 1/TX_{E}+: C506.1 J501.18 U504.8
/USB Hub 1/TX_{E}-: C505.1 J501.17 U504.7
/USB Hub 1/TX_{K}+: C504.1 J501.9 U505.1
/USB Hub 1/TX_{K}-: C503.1 J501.8 U505.2
/USB Hub 2/BIAS: R604.2 U601.56
/USB Hub 2/BIASM: R601.2 R604.1
/USB Hub 2/CTL1: U601.36 U602.3 U602.4
/USB Hub 2/CTL2: U601.35 U603.3 U603.4
/USB Hub 2/CTL3: U601.34 U608.3 U608.4
/USB Hub 2/CTL4: U601.32 U609.3 U609.4
/USB Hub 2/D_{C}+: J603.3 U601.17 U610.5
/USB Hub 2/D_{C}-: J603.2 U601.18 U610.4
/USB Hub 2/D_{D}+: J603.12 U601.24 U607.4
/USB Hub 2/D_{D}-: J603.11 U601.25 U607.5
/USB Hub 2/D_{E}+: J601.12 U601.8 U604.4
/USB Hub 2/D_{E}-: J601.11 U601.9 U604.5
/USB Hub 2/D_{K}+: J601.3 U601.1 U605.5
/USB Hub 2/D_{K}-: J601.2 U601.2 U605.4
/USB Hub 2/QTXM_{C}: C607.2 U601.20
/USB Hub 2/QTXM_{D}: C609.2 U601.27
/USB Hub 2/QTXM_{E}: C605.2 U601.11
/USB Hub 2/QTXM_{K}: C603.2 U601.4
/USB Hub 2/QTXP_{C}: C608.2 U601.19
/USB Hub 2/QTXP_{D}: C610.2 U601.26
/USB Hub 2/QTXP_{E}: C606.2 U601.10
/USB Hub 2/QTXP_{K}: C604.2 U601.3
/USB Hub 2/RX_{C}+: J603.6 U601.22 U610.7
/USB Hub 2/RX_{C}-: J603.5 U601.23 U610.8
/USB Hub 2/RX_{D}+: J603.15 U601.29 U607.2
/USB Hub 2/RX_{D}-: J603.14 U601.30 U607.1
/USB Hub 2/RX_{E}+: J601.15 U601.13 U604.2
/USB Hub 2/RX_{E}-: J601.14 U601.14 U604.1
/USB Hub 2/RX_{K}+: J601.6 U601.6 U605.7
/USB Hub 2/RX_{K}-: J601.5 U601.7 U605.8
/USB Hub 2/TX_{C}+: C608.1 J603.9 U610.1
/USB Hub 2/TX_{C}-: C607.1 J603.8 U610.2
/USB Hub 2/TX_{D}+: C610.1 J603.18 U607.8
/USB Hub 2/TX_{D}-: C609.1 J603.17 U607.7
/USB Hub 2/TX_{E}+: C606.1 J601.18 U604.8
/USB Hub 2/TX_{E}-: C605.1 J601.17 U604.7
/USB Hub 2/TX_{K}+: C604.1 J601.9 U605.1
/USB Hub 2/TX_{K}-: C603.1 J601.8 U605.2
/USB Hub 3/BIAS: R704.2 U701.56
/USB Hub 3/BIASM: R701.2 R704.1
/USB Hub 3/CTL1: U701.36 U702.3 U702.4
/USB Hub 3/CTL2: U701.35 U703.3 U703.4
/USB Hub 3/CTL3: U701.34 U708.3 U708.4
/USB Hub 3/CTL4: U701.32 U709.3 U709.4
/USB Hub 3/D_{C}+: J703.3 U701.17 U710.5
/USB Hub 3/D_{C}-: J703.2 U701.18 U710.4
/USB Hub 3/D_{D}+: J703.12 U701.24 U707.4
/USB Hub 3/D_{D}-: J703.11 U701.25 U707.5
/USB Hub 3/D_{E}+: J701.12 U701.8 U704.4
/USB Hub 3/D_{E}-: J701.11 U701.9 U704.5
/USB Hub 3/D_{K}+: J701.3 U701.1 U705.5
/USB Hub 3/D_{K}-: J701.2 U701.2 U705.4
/USB Hub 3/QTXM_{C}: C707.2 U701.20
/USB Hub 3/QTXM_{D}: C709.2 U701.27
/USB Hub 3/QTXM_{E}: C705.2 U701.11
/USB Hub 3/QTXM_{K}: C703.2 U701.4
/USB Hub 3/QTXP_{C}: C708.2 U701.19
/USB Hub 3/QTXP_{D}: C710.2 U701.26
/USB Hub 3/QTXP_{E}: C706.2 U701.10
/USB Hub 3/QTXP_{K}: C704.2 U701.3
/USB Hub 3/RX_{C}+: J703.6 U701.22 U710.7
/USB Hub 3/RX_{C}-: J703.5 U701.23 U710.8
/USB Hub 3/RX_{D}+: J703.15 U701.29 U707.2
/USB Hub 3/RX_{D}-: J703.14 U701.30 U707.1
/USB Hub 3/RX_{E}+: J701.15 U701.13 U704.2
/USB Hub 3/RX_{E}-: J701.14 U701.14 U704.1
/USB Hub 3/RX_{K}+: J701.6 U701.6 U705.7
/USB Hub 3/RX_{K}-: J701.5 U701.7 U705.8
/USB Hub 3/TX_{C}+: C708.1 J703.9 U710.1
/USB Hub 3/TX_{C}-: C707.1 J703.8 U710.2
/USB Hub 3/TX_{D}+: C710.1 J703.18 U707.8
/USB Hub 3/TX_{D}-: C709.1 J703.17 U707.7
/USB Hub 3/TX_{E}+: C706.1 J701.18 U704.8
